# Altium PCB thermal_cam_sensor_jlc.PcbDoc (part 1 of 5)
Units mm, origin at the board's own origin, x right, y up, seen from the top; angles counter-clockwise.
Board outline 100 x 100 mm, 6 copper layers (Top Layer, GND1, Power1, Power2, GND2, Bottom Layer), stack 1.538 mm thick; 1209 components, 122 nets, 3633 pads, 2406 vias.
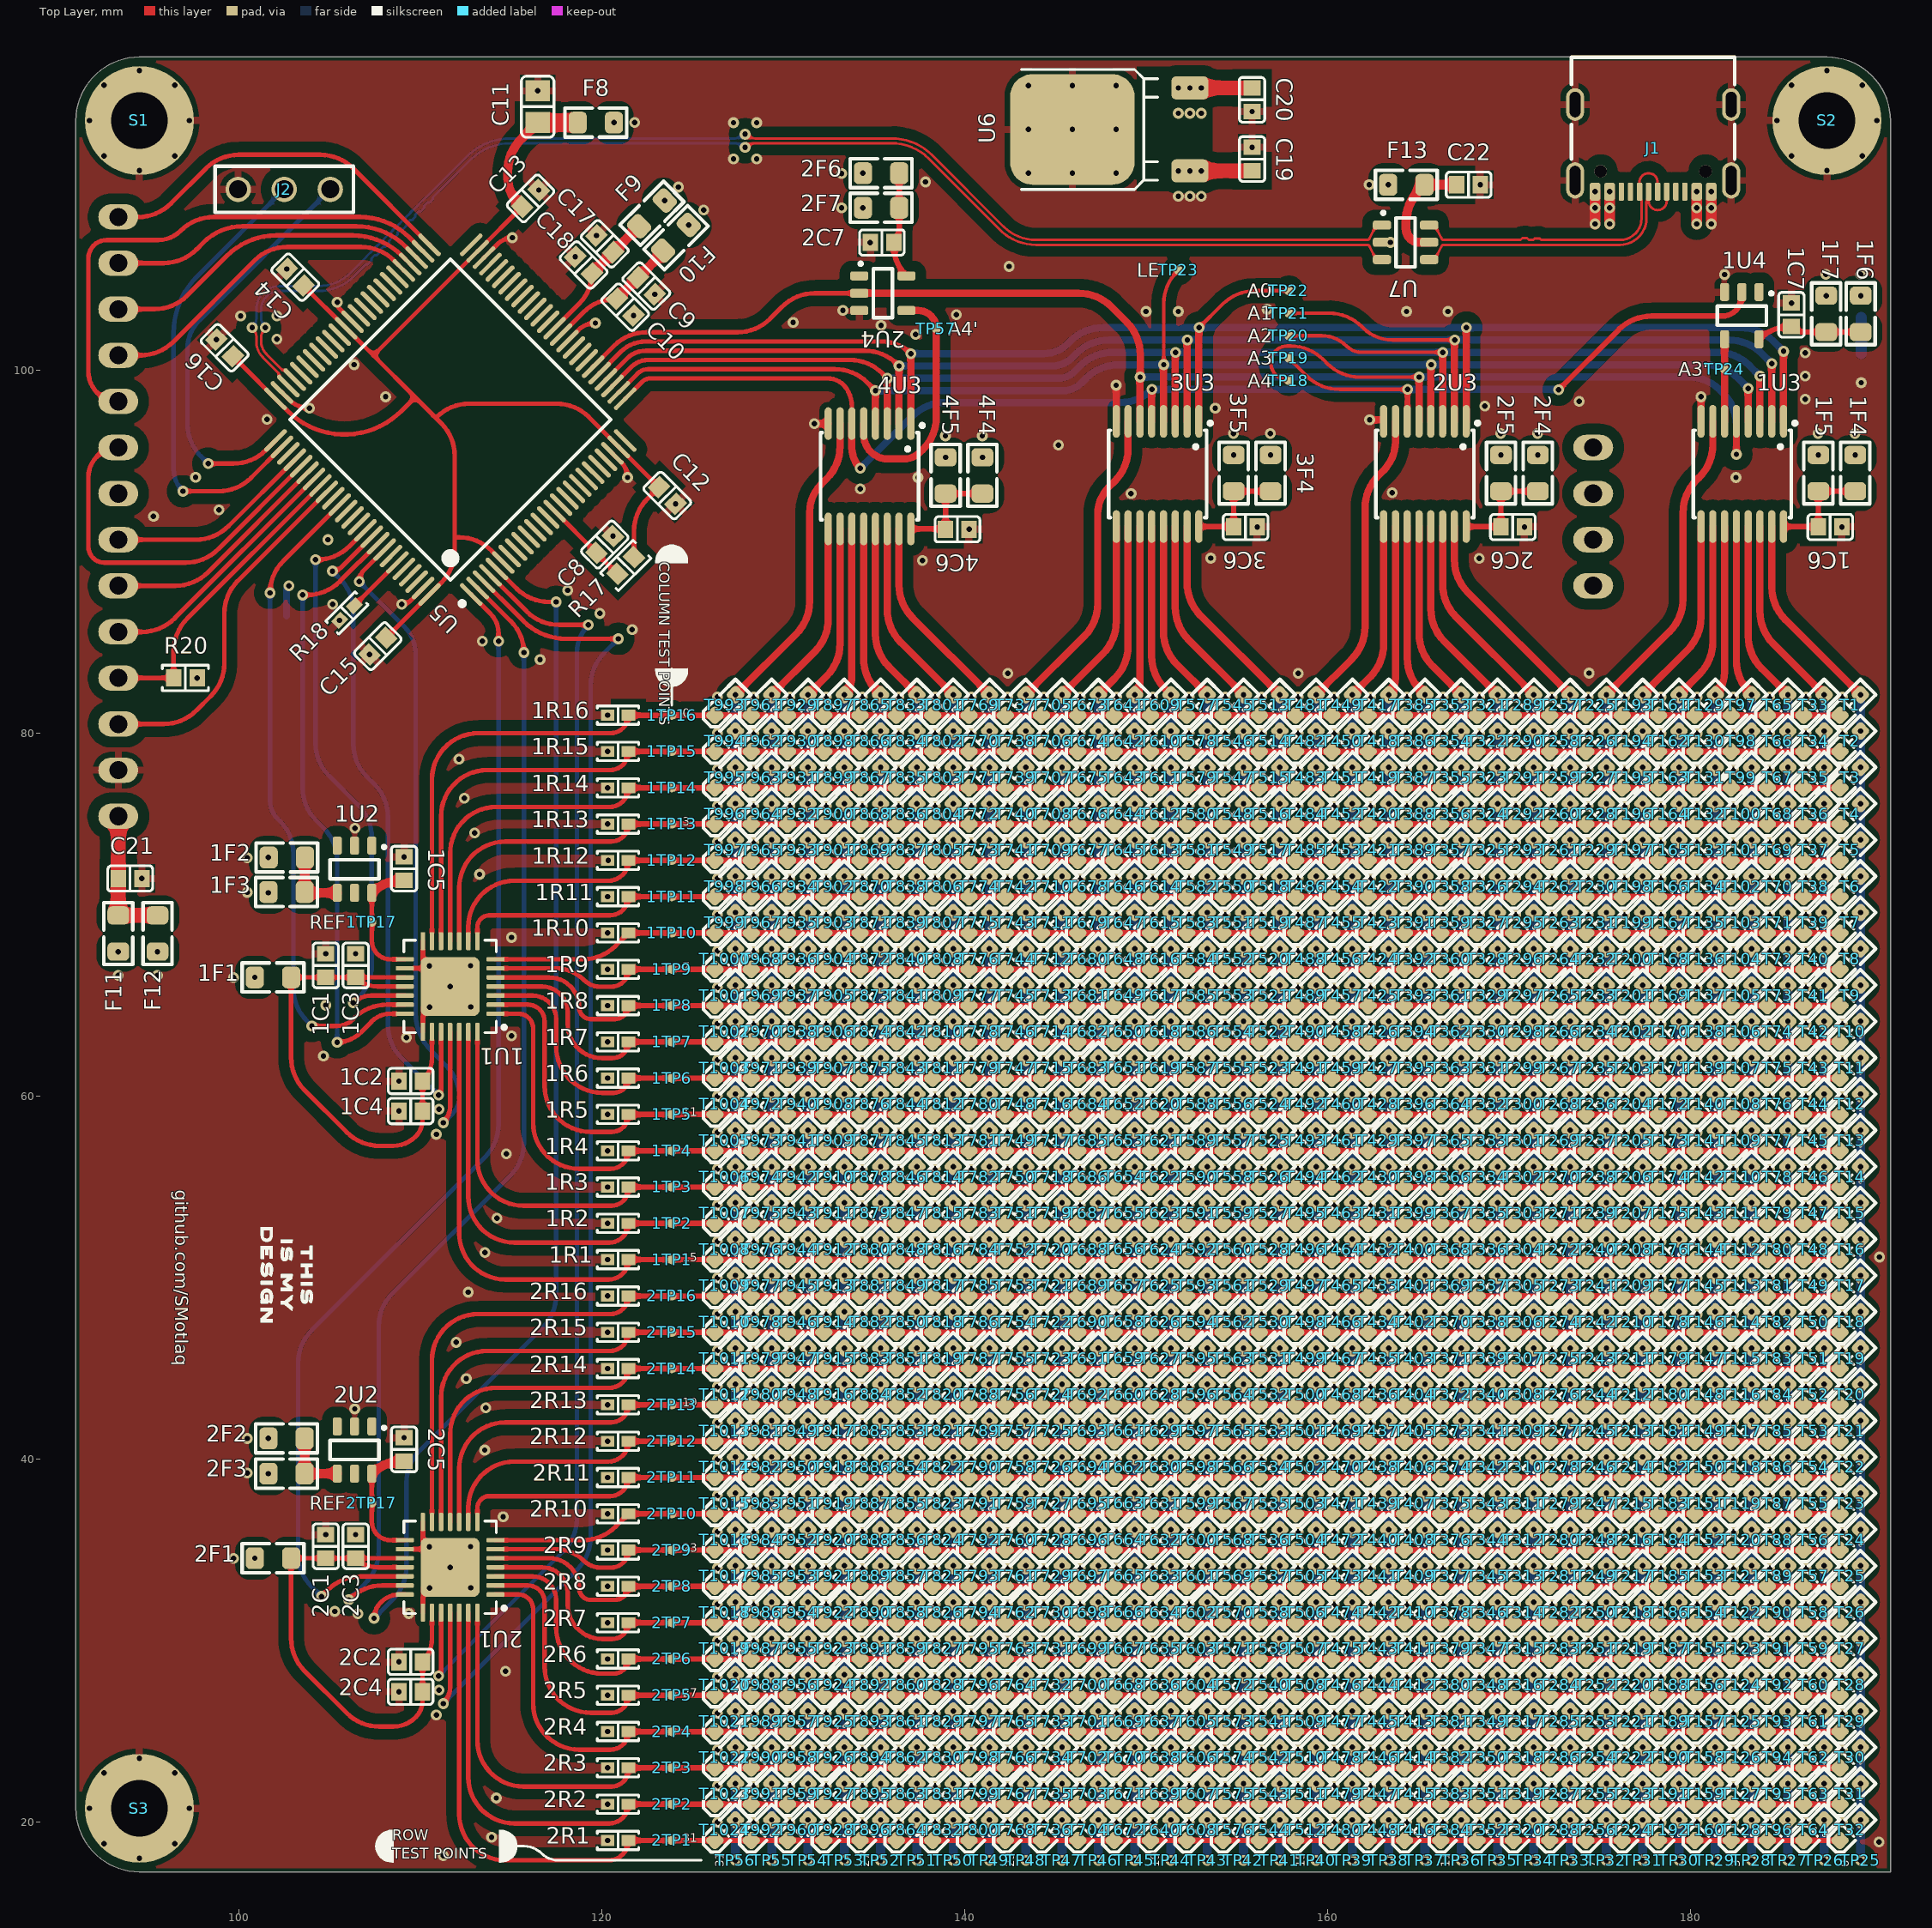
[diagram p0: Top Layer view]
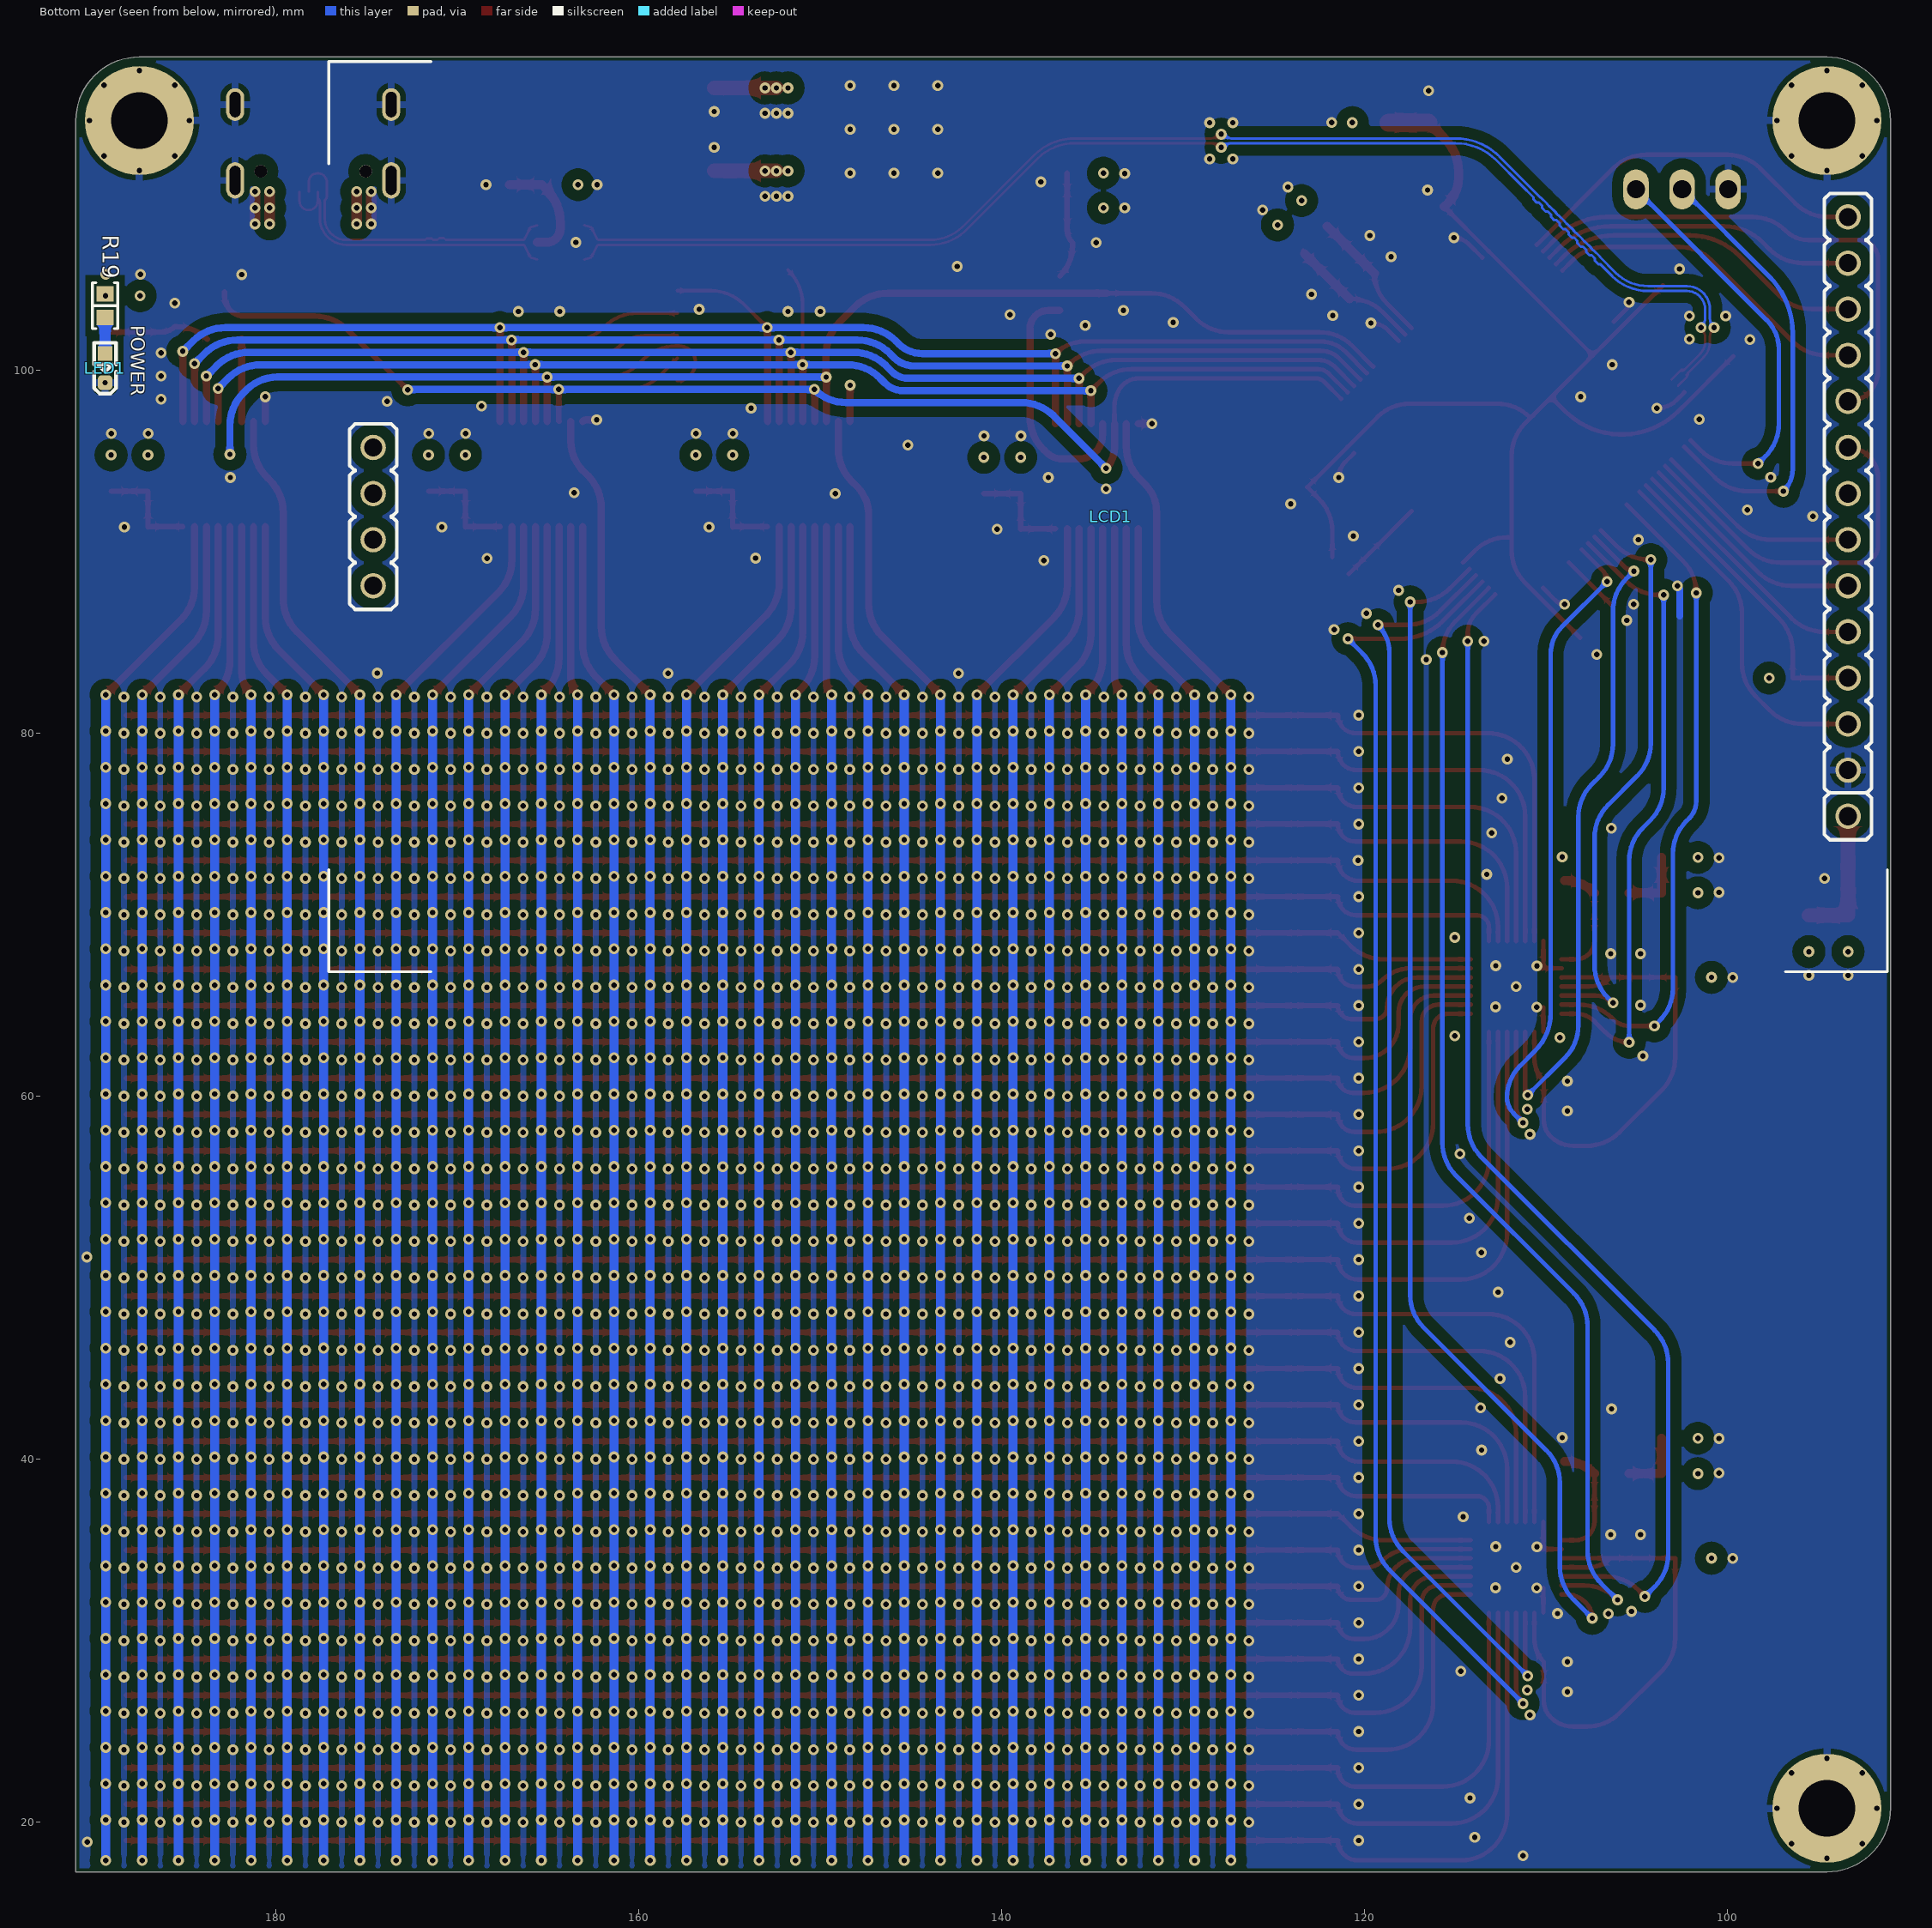
[diagram p1: Bottom Layer view, seen from below]
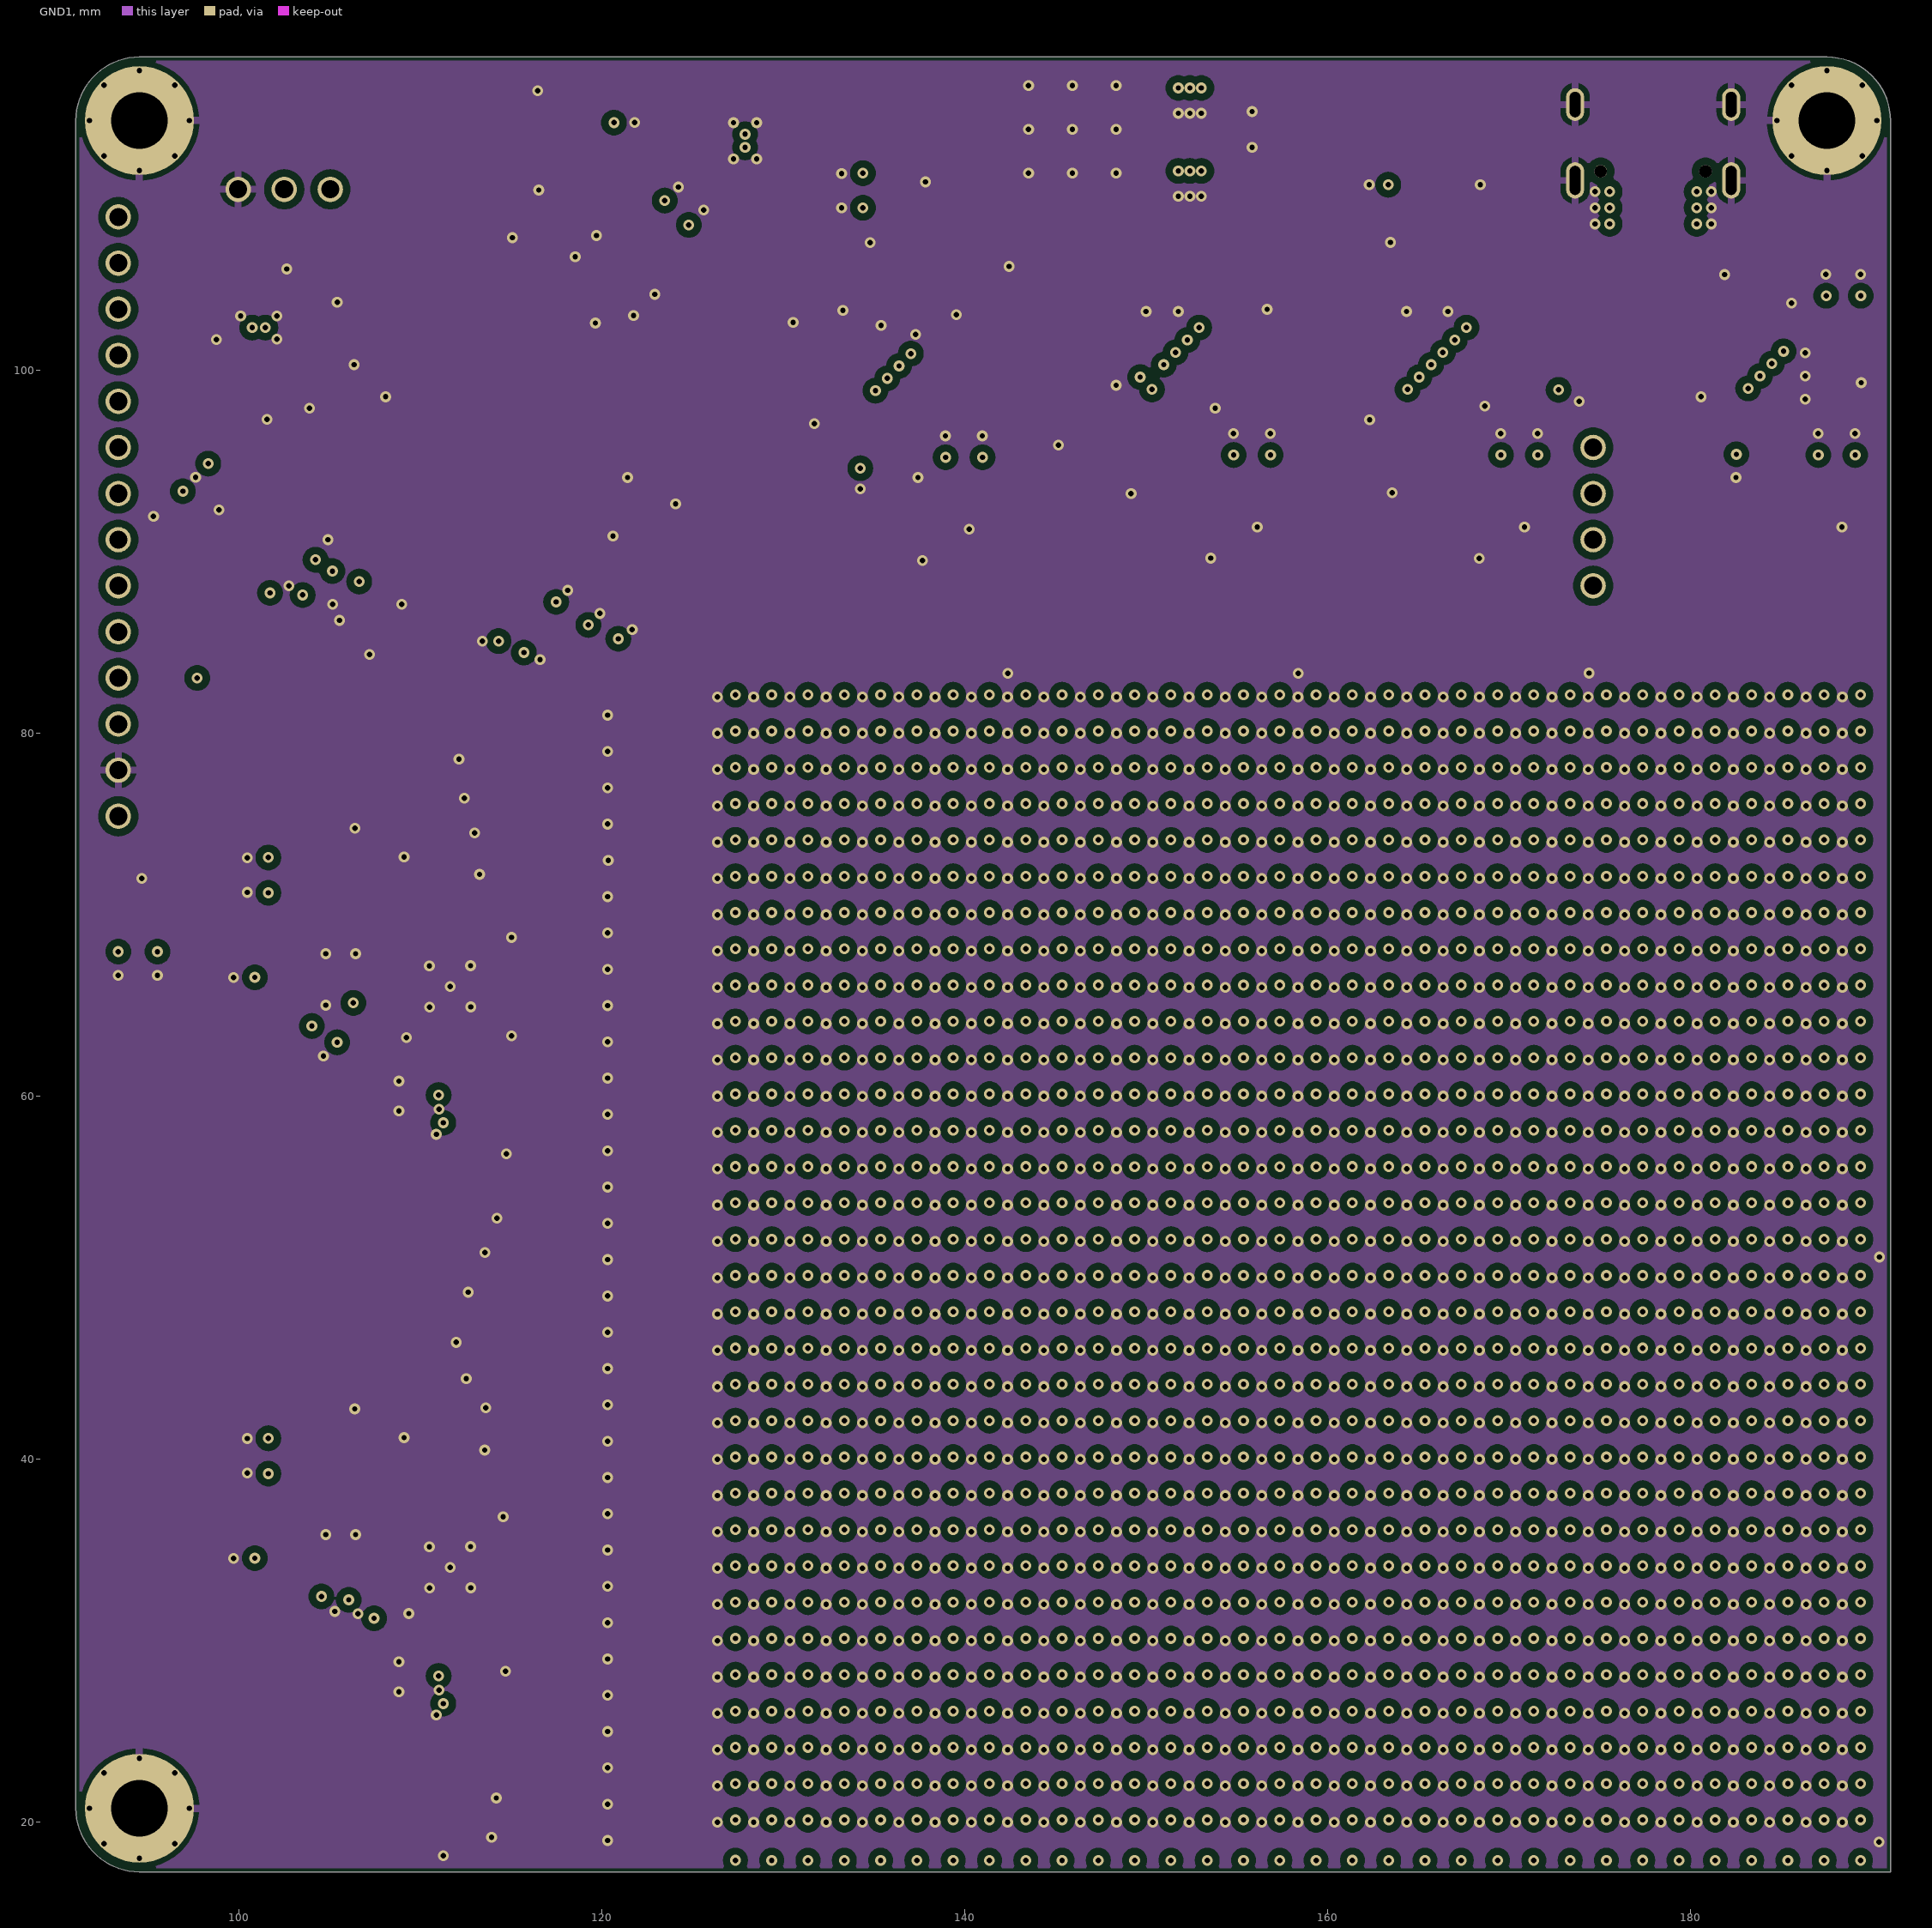
[diagram p2: GND1]
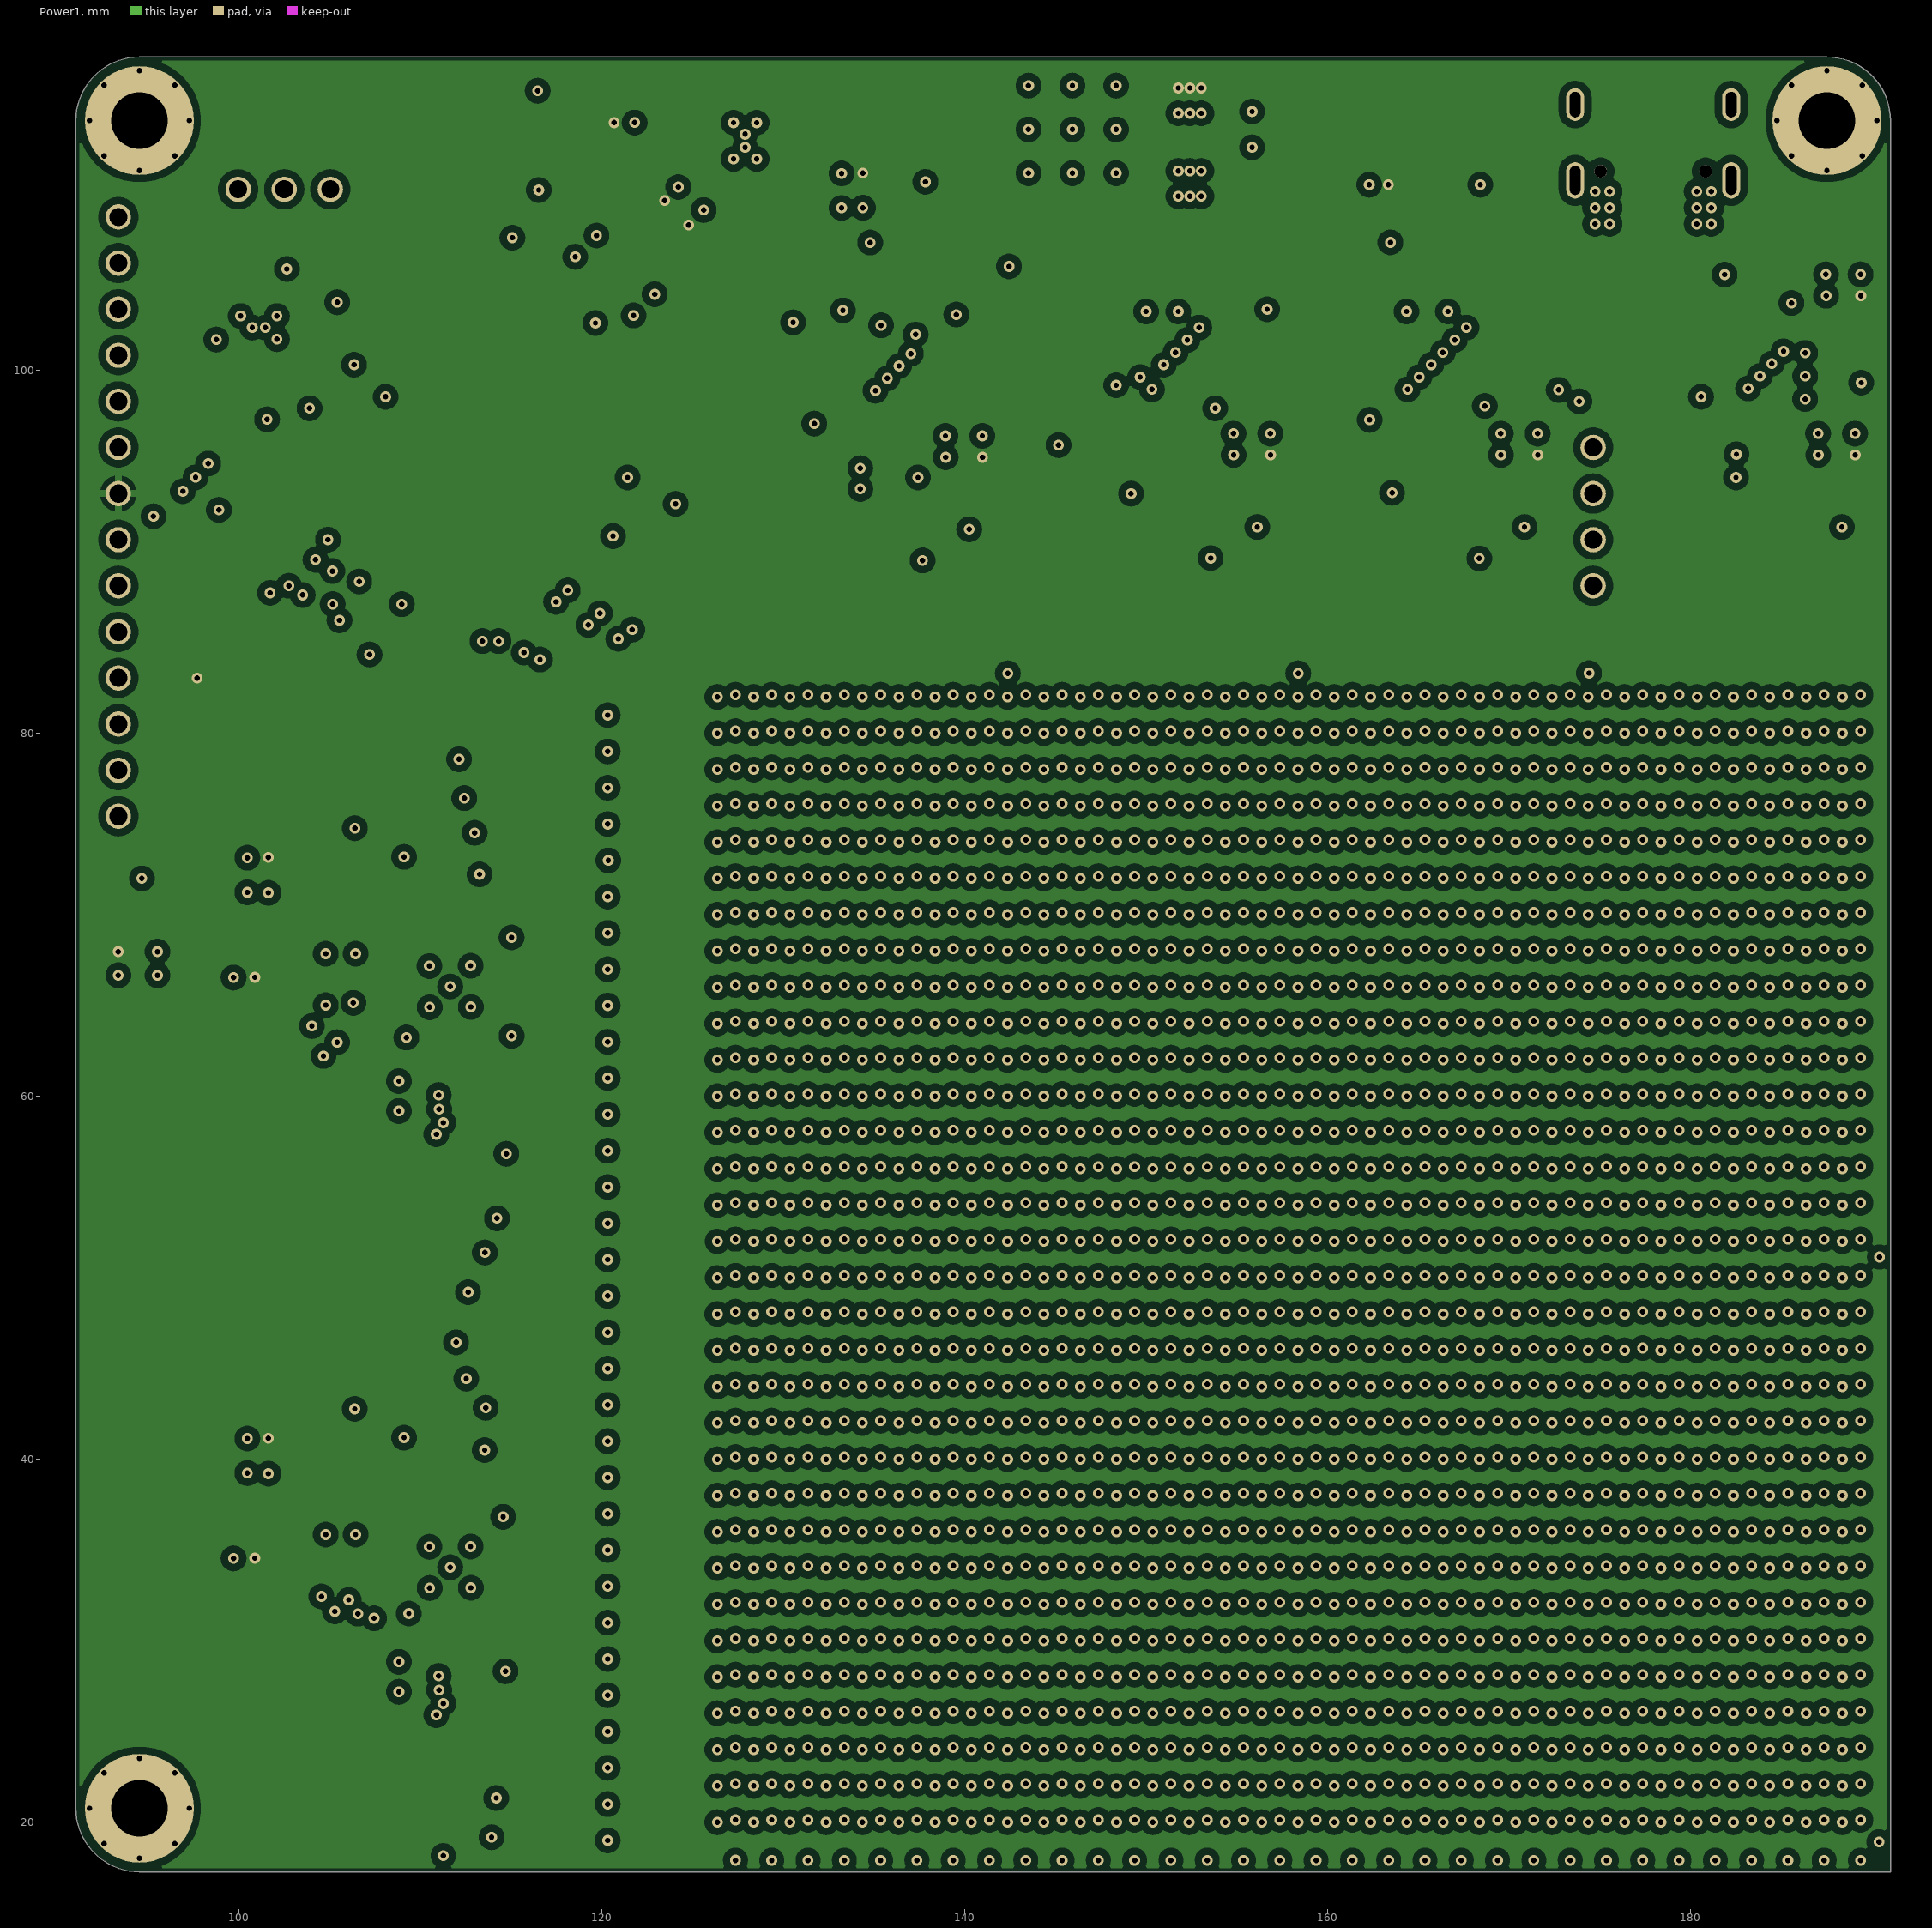
[diagram p3: Power1]